# KiCad board jetson-nano-baseboard.kicad_pcb (continued)
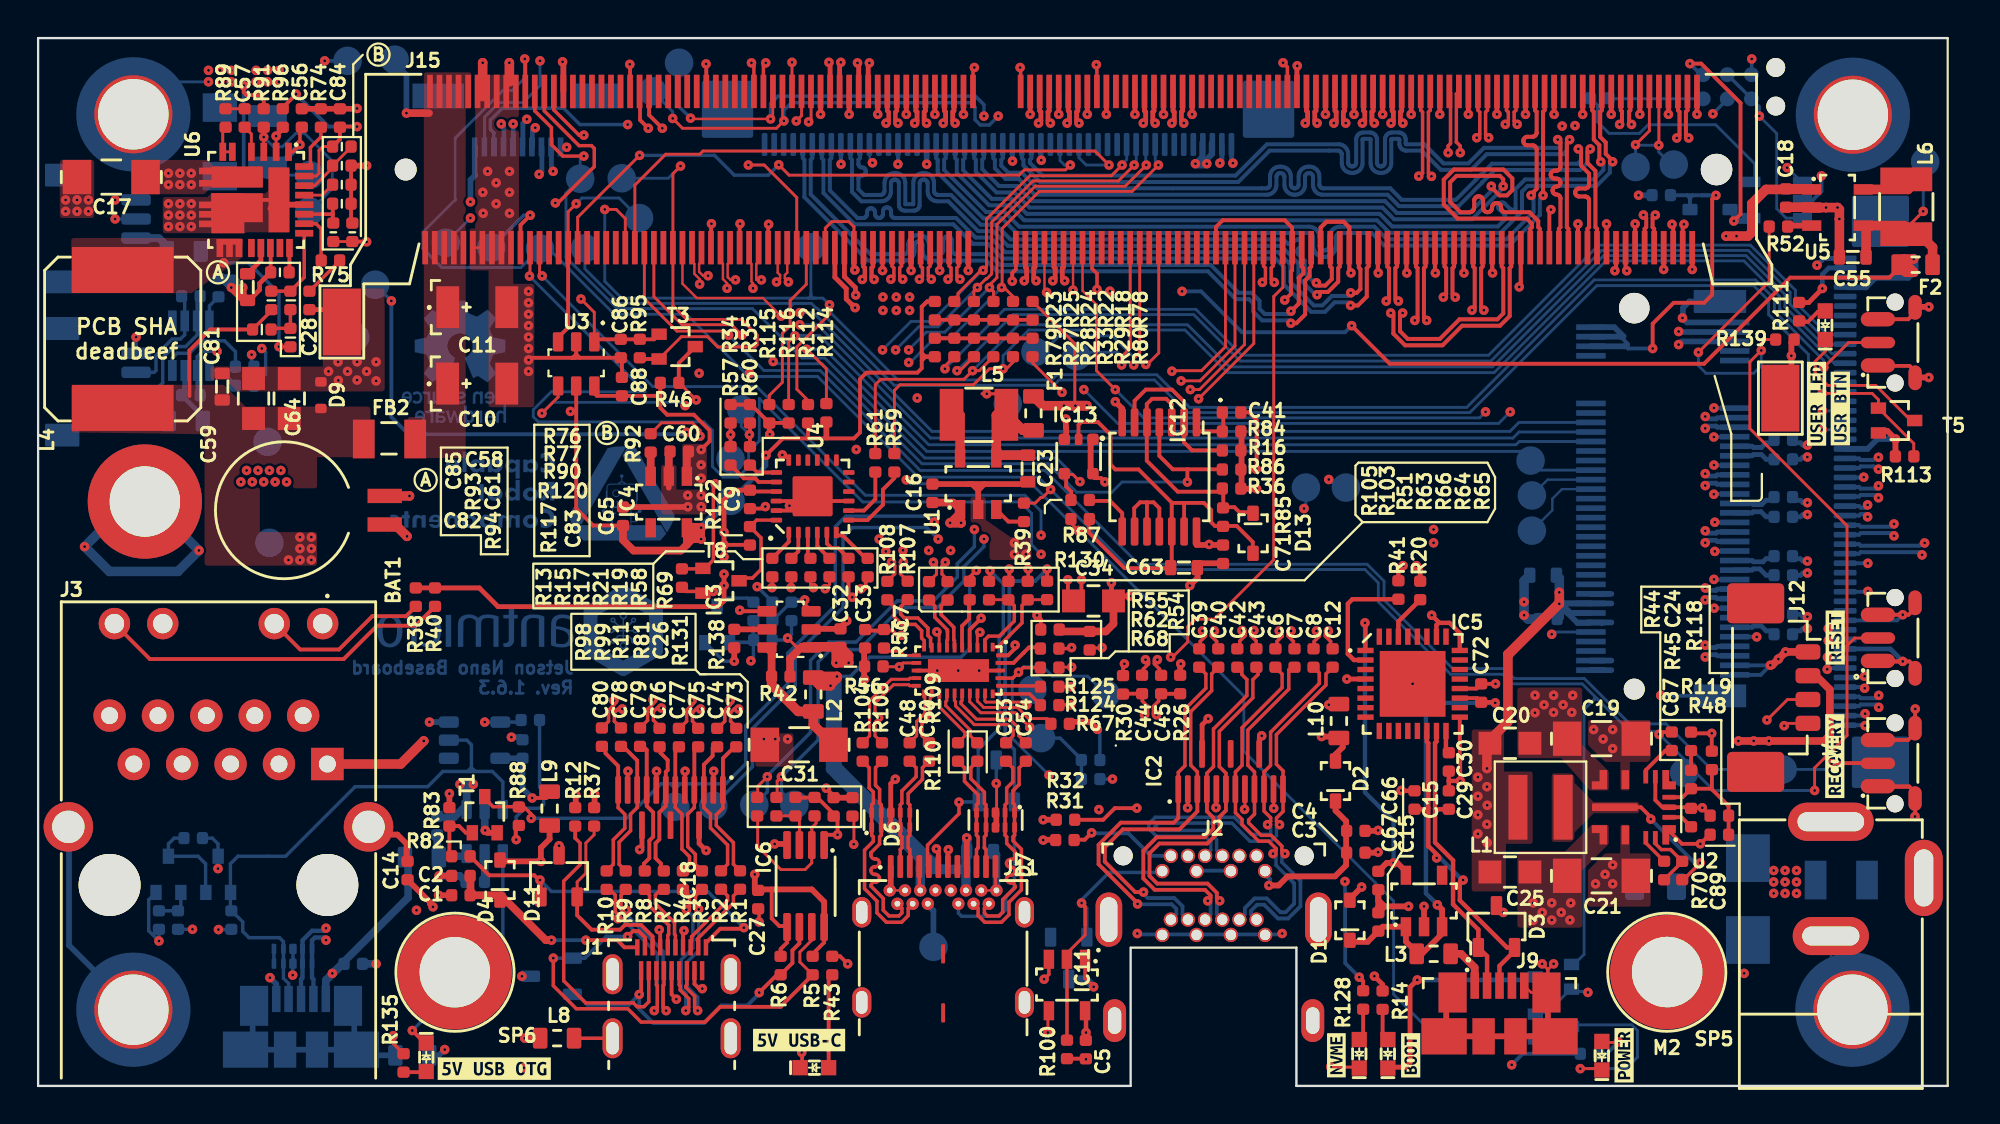
[diagram p0: board, top side]
## Routing (per net, layer and track width the routed paths; a pad name or vN(x,y) marks a point on that pad's centre or on a via; arc(x,y) is an arc through that point) (continued)
/USB/C_USBSS_RX1_N: length 11.4
  Top w0.182: J11.B10 45.67,9.33 45.67,8.94 45.32,8.59 44.52,8.59 44.03,9.09 44.03,9.7 43.38,10.35 43.38,12.37 43.84,12.83 43.84,13.07 43.75,13.16 43.75,14.75 43.84,14.84 43.84,15.43 43.62,15.64 43.62,16.7 R104.2
/USB/C_USBSS_RX1_P: length 11.4
  Top w0.182: 45.1,9.56 45.34,9.33 45.34,9.08 45.18,8.92 44.66,8.92 44.36,9.23 44.36,9.84 43.71,10.49 arc(43.77,10.63) 43.91,10.69 43.95,10.69 arc(44.1,10.75) 44.16,10.9 arc(44.1,11.04) 43.95,11.1 43.91,11.1 arc(43.77,11.16) 43.71,11.3 arc(43.77,11.45) 43.91,11.51 43.95,11.51 arc(44.1,11.57) 44.16,11.71 arc(44.1,11.85) 43.95,11.91 43.91,11.91 arc(43.77,11.97) 43.71,12.12 43.71,12.24 44.17,12.7 44.17,13.07 44.25,13.16 44.25,14.75 44.17,14.84 44.17,15.56 43.95,15.78 43.95,16.7 R106.2
/USB/C_USBSS_RX2_N: length 6.1
  Top w0.182: R109.2 48.62,16.7 48.62,15.99 49.34,15.28 49.34,14.84 49.25,14.75 49.25,13.16 49.34,13.07 49.34,12.5 49.25,12.41 49.25,11.51
/USB/C_USBSS_RX2_P: length 6.1
  Top w0.182: R110.2 48.95,16.7 48.95,16.13 49.67,15.41 49.67,14.84 49.75,14.75 49.75,13.16 49.67,13.07 49.67,12.5 49.75,12.41 49.75,11.51
/USB/C_USBSS_RX6_N: length 3.7
  Top w0.182: R108.2 44.94,25.15 44.94,24.62 45.34,24.23 46.04,24.23 46.37,23.89 46.37,23.5 46.51,23.36 46.51,23.05 46.49,23.03
/USB/C_USBSS_RX6_P: length 3.8
  Top w0.182: R107.2 45.27,25.15 45.27,24.76 45.47,24.56 46.17,24.56 46.7,24.03 46.7,23.64 46.84,23.5 46.84,23.05 46.89,23
/USB/C_USBSS_TX1_N: length 6.1
  Top w0.182: 46.76,17.04 46.42,16.7 46.42,16.1 45.67,15.35 45.67,14.84 45.75,14.75 45.75,13.16 45.67,13.07 45.67,12.5 45.75,12.41 45.75,11.51
/USB/C_USBSS_TX1_P: length 6.1
  Top w0.182: 45.74,17.04 46.08,16.7 46.08,16.23 45.34,15.48 45.34,14.84 45.25,14.75 45.25,13.16 45.34,13.07 45.34,12.5 45.25,12.41 45.25,11.51
/USB/C_USBSS_TX2_N: length 11.5
  Top w0.182: 49.1,9.56 49.34,9.33 49.34,8.94 49.69,8.59 50.56,8.59 50.96,8.99 50.96,9.64 51.61,10.29 51.61,12.42 51.17,12.86 51.17,13.07 51.25,13.16 51.25,14.75 51.17,14.84 51.17,15.5 51.49,15.82 51.49,16.69 51.84,17.04
/USB/C_USBSS_TX2_P: length 11.5
  Top w0.182: 49.9,9.56 49.67,9.33 49.67,9.08 49.82,8.92 50.42,8.92 50.63,9.12 50.63,9.78 51.28,10.43 51.28,10.46 arc(51.22,10.61) 51.07,10.67 51.03,10.67 arc(50.89,10.73) 50.83,10.87 arc(50.89,11.01) 51.03,11.07 51.07,11.07 arc(51.22,11.13) 51.28,11.28 arc(51.22,11.42) 51.07,11.48 51.03,11.48 arc(50.89,11.54) 50.83,11.68 arc(50.89,11.83) 51.03,11.89 51.07,11.89 arc(51.22,11.95) 51.28,12.09 51.28,12.29 50.84,12.73 50.84,13.07 50.75,13.16 50.75,14.75 50.84,14.84 50.84,15.63 51.16,15.96 51.16,16.69 50.81,17.04
/USB/C_USBSS_TX6_N: length 2.9
  Top w0.182: R105.2 47.06,25.2 47.06,24.6 47.73,23.94 47.73,23.85 47.73,23.84 47.73,23.41 47.69,23.38 47.69,23
/USB/C_USBSS_TX6_P: length 2.9
  Top w0.182: 48.09,23 48.09,23.38 48.06,23.41 48.06,24.07 47.39,24.74 47.39,25.2 47.71,25.51
/USB/CC1: length 5.1
  Top w0.15: 49.69,23 49.69,23.43 ; 49.91,25.52 50.92,25.52
  Top w0.18: R66.1 51.24,25.2 51.24,24.4 50.44,23.61 49.88,23.61 49.69,23.42 49.69,23
/USB/CC2: length 4.4
  Top w0.15: 52.96,25.53 52.95,25.52 51.94,25.52
  Top w0.18: 50.09,23.03 50.37,23.03 51.64,24.31 51.64,25.22 R64.1
/USB/DBG_USB_D_N: length 15.3
  Top w0.23: 73.32,14.53 73.32,12.78 74.26,11.83 74.26,9.53 75.59,8.21 D3.1 76.05,6.81 J9.2 ; 73.32,14.53 73.32,18 73.39,18.07 73.39,18.63 ; 73.32,14.53 73.33,14.52 C29.1
/USB/DBG_USB_D_P: length 16.8
  Top w0.23: 72.96,14.58 72.96,18 72.89,18.07 72.89,18.63 ; 72.96,14.58 72.9,14.52 C15.1 ; 72.96,14.58 72.96,12.58 72.98,12.58 73.4,12.16 v1(73.4,11.97) ; 74.74,10.81 74.62,10.68 74.62,9.74 77.09,7.27 D3.2 77.49,7.09 76.7,6.3 76.7,5.26
  Bottom w0.23: 74.74,10.81 73.58,11.97 v1(73.4,11.97)
  vias: v1(74.79,10.81)
/USB/EN_MUX: length 12
  Top w0.15: 54.19,22 54.17,21.98 53.57,21.98 ; 46.09,22.2 45.4,22.2 v1(45.2,22) 44.47,22
  In2_SINGAL.Cu w0.15: v1(54.25,21.98) 53.82,22.41 50.64,22.41 50.34,22.71 45.91,22.71 v1(45.2,22)
/USB/OTG_USB_ID: length 30.3
  Bottom w0.18: 22.74,16.71 22.74,17.91 22.5,18.15 U8.2 ; 22.74,16.71 22.94,16.51 ; 22.74,16.71 22.54,16.51 ; 22.74,16.71 22.74,16.51 ; 22.94,16.51 23.84,16.51 24.39,15.96 24.39,14.76 ; 22.94,16.51 22.74,16.51 ; 22.54,16.51 21.24,16.51 20.44,15.71 16.64,15.71 12.99,12.06 10.49,12.06 10.09,11.66 10.09,9.24 R134.2 ; 22.54,16.51 22.74,16.51 ; R134.2 10.16,9.19 10.74,8.61 10.74,8.11 11.07,7.78 12.67,7.78 12.88,7.57 12.88,5.65 13.15,5.37 13.15,4.56 ; R134.2 10.13,9.19
/USB/OTG_USB_VBUS: length 27.6
  In5_3V3_SYS_SIGNAL.Cu w0.18: v1(8.1,8.22) 8.73,8.22 11.84,5.11 14.64,5.11 v1(15.44,5.91)
  Bottom w0.18: v1(8.1,8.22) R72.2
  Bottom w0.3: 19.42,9.88 v1(15.44,5.91) 15.56,5.91 C62.1 15.1,5.45 15.1,4.56
  Bottom w0.4: 15.1,4.56 15.1,5.56 19.42,9.88 19.42,12.01
/USB/USB_DBG_VBUS: length 2.5
  Top w0.4: J9.1 75.4,6.22 74.68,6.93 L3.2
/USB/USBC_ADDR: length 8.6
  Top w0.15: v1(52.04,18.83) 51.29,19.59 49.48,19.59 48.89,20.17 48.89,20.6
  Bottom w0.18: TP21.1 53.64,18.26 54.76,17.14 54.76,16.11
  Bottom w0.2: v1(52.04,18.83) 52.07,18.83 TP21.1
/USB/USBC_FAULT: length 3.6
  Top w0.15: v1(51.89,20.01) 51.76,20.15 49.75,20.15 49.69,20.2 49.69,20.6
  Bottom w0.18: v1(51.89,20.01) 51.89,20.41 52.19,20.71 TP32.1
/USB/USBC_ID: length 44
  Top w0.18: 52.61,21.96 51.7,21.96 v1(51.46,21.71) 51.14,21.4 50.49,21.4
  In5_3V3_SYS_SIGNAL.Cu w0.18: v1(53.06,16.32) 52.75,16.62 48.64,16.62 43.91,11.9 40.97,11.9 39.9,12.96 39.9,19.82 v1(37.41,22.31)
  Bottom w0.15: TP18.1 55.09,21.51 53.24,21.51 52.74,22.01 51.75,22.01 v1(51.46,21.71) 51.13,21.38 51.13,18.25 v1(53.06,16.32)
  Bottom w0.18: R49.1 37.54,23.91 ; 37.54,23.91 37.54,23.49 ; 37.54,23.91 37.54,22.44 v1(37.41,22.31)
  Bottom w0.2: 37.54,23.49 37.34,23.29 36.29,23.29
/USB/USBC_INTN: length 4.7
  Top w0.15: 53.16,19.08 52.96,19.28 51.98,19.28 51.4,19.87 49.63,19.87 49.29,20.2 49.29,20.6
/USB/USBC_SCL: length 2.1
  Top w0.18: 50.49,21 52.56,21 52.61,20.96
/USB/USBC_SDA: length 2.7
  Top w0.18: 50.09,20.58 52.04,20.58 52.61,20.01
/USB/USBC_VBUS: length 60.2
  Top w0.15: 42.82,14.16 42.82,12.7 v1(42.81,12.68)
  Top w0.18: 46.25,11.51 46.25,10.31 46.3,10.26 ; v1(49.24,27.06) 48.89,26.71 R51.2
  Top w0.3: 48.87,26.51 48.89,26.48 ; 48.75,11.51 48.74,11.52 v1(48.74,13.02)
  Top w0.5: 40.69,21.36 40.74,21.41 41.76,21.41 41.83,21.34 ; 40.69,21.36 40.82,21.49 v1(41.93,21.49) 41.93,21.4 41.57,21.04 ; 40.69,21.36 41.05,21.01 v1(41.59,21.01)
  In3_SIGNAL.Cu w0.15: v1(42.81,12.68) 42.81,11.64 43.44,11.01 45.96,11.01 46.3,10.67 46.3,10.26
  Bottom w0.18: v1(49.24,27.06) 48.89,26.71 48.89,22.96 48.44,22.51 43.64,22.51 42.63,21.49 v1(41.93,21.49)
  Bottom w0.5: 48.7,10.26 48.7,11.37 ; 48.7,11.37 48.7,12.26 C35.1 48.74,13.01 v1(48.74,13.02) ; 48.7,11.37 47.65,11.37 ; 46.3,10.26 46.3,11.37 ; 46.3,11.37 46.3,11.47 ; 46.3,11.37 47.65,11.37 ; 46.3,11.47 46.95,11.47 ; 46.3,11.47 46.3,11.91 ; 41.59,17.11 41.59,16.62 42.05,16.16 ; 41.59,17.11 41.59,21.1 41.91,21.41 ; 41.59,17.11 47.09,11.61 ; 47.09,11.61 46.95,11.47 ; 47.09,11.61 47.33,11.37 47.65,11.37 ; 46.95,11.47 46.75,11.47 46.3,11.91 ; v1(41.93,21.49) 41.93,16.29 42.05,16.16 ; 46.3,11.91 42.05,16.16
/USB/USBSS_RX1_N: length 5.3
  Top w0.16: R104.1 43.64,18.37 43.64,20.21 44.78,21.34 45.7,21.34 45.76,21.4 46.09,21.4
/USB/USBSS_RX1_P: length 5.3
  Top w0.16: R106.1 43.93,18.37 43.93,19.04 arc(43.97,19.14) 44.07,19.18 44.14,19.18 arc(44.24,19.23) 44.29,19.33 arc(44.24,19.43) 44.14,19.47 44.07,19.47 arc(43.97,19.51) 43.93,19.61 43.93,20.09 44.89,21.06 45.7,21.06 45.76,21 46.09,21
/USB/USBSS_RX2_N: length 3.3
  Top w0.16: 47.29,20.6 47.29,20.23 47.35,20.17 47.35,19.85 48.64,18.55 48.64,18.37 R109.1
/USB/USBSS_RX2_P: length 3.3
  Top w0.16: 47.69,20.6 47.69,20.23 47.64,20.17 47.64,19.96 48.93,18.67 48.93,18.37 R110.1
/USB/USBSS_TX1_N: length 2.9
  Top w0.16: 46.49,20.58 46.54,20.53 46.54,19.55 46.11,19.12 46.11,18.37 C48.1
/USB/USBSS_TX1_P: length 2.9
  Top w0.16: C50.1 46.39,18.37 46.39,19.01 46.82,19.44 46.82,20.53 46.89,20.6
/USB/USBSS_TX2_N: length 5
  Top w0.16: C53.1 51.18,18.39 51.18,18.66 50.88,18.96 49.13,18.96 48.15,19.95 48.15,20.17 48.09,20.23 48.09,20.6
/USB/USBSS_TX2_P: length 5
  Top w0.16: 48.49,20.6 48.49,20.23 48.44,20.17 48.44,20.06 49.25,19.25 51,19.25 51.47,18.78 51.47,18.39 C54.1
/USB/~{OTG_USB_FAULT}: length 14
  Top w0.2: LED2.2 20.29,2.26 v1(19.64,2.91)
  Bottom w0.18: v1(19.64,2.91) 20.19,3.46 23.39,3.46 24.39,4.46 24.39,12.06
\PEWAKE_3V3: length 56.2
  Top w0.15: J15.179 40.57,50.73 v1(40.44,50.61)
  In2_SINGAL.Cu w0.15: v1(39.98,40.59) 39.98,40.97 40.14,41.13 40.14,50.31 v1(40.44,50.61)
  Bottom w0.15: v1(39.98,40.59) 40.68,40.59 46.92,34.36 77.25,34.36 77.72,34.82 81.5,34.82
CAN_RXD: length 54.7
  Top w0.18: v1(51.54,53.46) 51.57,53.43 J15.143
  In2_SINGAL.Cu w0.15: v1(11.21,38.38) 11.29,38.47 11.29,39.86 15.14,43.71 15.14,51.71 16.54,53.11 48.04,53.11 48.94,54.01 51.34,54.01 51.54,53.81 v1(51.54,53.46)
  Bottom w0.18: R101.1 11.21,37.88 v1(11.21,38.38)
CAN_TXD: length 52.4
  Top w0.18: v1(49.14,53.46) 49.07,53.38 49.07,52.2
  In2_SINGAL.Cu w0.15: v1(11.74,38.71) 11.64,38.81 11.64,39.61 15.54,43.51 15.54,51.51 16.84,52.81 48.24,52.81 48.89,53.46 v1(49.14,53.46)
  Bottom w0.18: v1(11.74,38.71) 11.94,38.51 11.94,37.37 R71.1
DP_PWR: length 17.4
  Top w0.3: v1(67.36,18.34) 67.36,18.34 68.48,18.34 68.48,17.78 68.09,17.4 68.09,17.06 ; v1(59.97,22.16) 59.94,22.13 R26.2
  In2_SINGAL.Cu w0.3: v1(67.36,18.34) 69.42,20.4 69.42,21.86 68.81,22.46 60.28,22.46 v1(59.97,22.16)
EGND: length 13.7
  Top w0.3: C14.1 19.34,11.84 19.34,12.71 18.86,13.19 17.38,13.19
  Bottom w0.3: SP4.1 1.62,7.38 1.62,13.19
ENET_LED0: length 51.5
  Top w0.2: J15.194 36.82,45.23 v1(36.84,45.26)
  In5_3V3_SYS_SIGNAL.Cu w0.2: 6.55,24.27 8.19,25.91 15.44,25.91 16.59,24.76 23.04,24.76 24.69,26.41 24.69,43.26 25.54,44.11 36.49,44.11 36.82,44.43 36.82,45.23 v1(36.84,45.26)
ENET_LED1: length 43.2
  Top w0.2: v1(38.34,45.23) 38.32,45.2 38.32,44
  In5_3V3_SYS_SIGNAL.Cu w0.2: v1(38.34,45.23) 36.77,43.66 25.79,43.66 25.14,43.01 25.14,26.21 23.2,24.27 J3.11
ENET_TRD0_N: length 53.4
  Top w0.125: 39.32,44 39.32,42.69 39.19,42.56 39.19,42.39 v1(39.38,42.2)
  In5_3V3_SYS_SIGNAL.Cu w0.125: v1(39.38,42.2) 39.14,41.96 39.14,41.45 37.87,40.18 31.49,40.18 31.07,39.75 31.07,33.18 31.07,33.14 31.08,33.11 31.1,33.07 31.13,33.04 31.17,33.02 31.2,33.01 31.24,33.01 31.4,33.01 31.49,33 31.57,32.97 31.65,32.92 31.71,32.86 31.76,32.78 31.79,32.69 31.8,32.61 31.8,32.56 31.79,32.47 31.76,32.38 31.71,32.31 31.65,32.24 31.57,32.2 31.49,32.17 31.4,32.16 30.51,32.16 30.47,32.15 30.44,32.14 30.4,32.12 30.37,32.09 30.35,32.06 30.34,32.02 30.34,31.98 30.34,31.94 30.35,31.91 30.37,31.87 30.4,31.84 30.44,31.82 30.47,31.81 30.51,31.81 31.4,31.81 31.49,31.8 31.57,31.77 31.65,31.72 31.71,31.66 31.76,31.58 31.79,31.49 31.8,31.41 31.8,31.36 31.79,31.27 31.76,31.18 31.71,31.11 31.65,31.04 31.57,31 31.49,30.97 31.4,30.96 30.51,30.96 30.47,30.95 30.44,30.94 30.4,30.92 30.37,30.89 30.35,30.86 30.34,30.82 30.34,30.78 30.34,30.74 30.35,30.71 30.37,30.67 30.4,30.64 30.44,30.62 30.47,30.61 30.51,30.61 31.4,30.61 31.49,30.6 31.57,30.57 31.65,30.52 31.71,30.46 31.76,30.38 31.79,30.29 31.8,30.21 31.8,30.16 31.79,30.07 31.76,29.98 31.71,29.91 31.65,29.84 31.57,29.8 31.49,29.77 31.4,29.76 31.24,29.76 31.2,29.75 31.17,29.74 31.13,29.72 31.1,29.69 31.08,29.66 31.07,29.62 31.07,29.58 31.07,25.85 30.57,25.35 25.32,20.11 16.14,20.11 12.93,16.9 J3.3
ENET_TRD0_P: length 53.4
  Top w0.125: J15.186 38.82,42.69 38.94,42.56 38.94,42.39 v1(38.76,42.2)
  In5_3V3_SYS_SIGNAL.Cu w0.125: v1(38.76,42.2) 38.89,42.06 38.89,41.56 37.77,40.43 31.39,40.43 30.82,39.86 30.82,33.16 30.83,33.07 30.86,32.98 30.9,32.91 30.97,32.84 31.04,32.8 31.13,32.77 31.22,32.76 31.37,32.76 31.41,32.75 31.45,32.74 31.48,32.72 31.51,32.69 31.53,32.66 31.54,32.62 31.55,32.58 31.54,32.54 31.53,32.51 31.51,32.47 31.48,32.44 31.45,32.42 31.41,32.41 31.37,32.41 30.49,32.41 30.4,32.4 30.31,32.37 30.24,32.32 30.17,32.26 30.13,32.18 30.1,32.09 30.09,32.01 30.09,31.96 30.1,31.87 30.13,31.78 30.17,31.71 30.24,31.64 30.31,31.6 30.4,31.57 30.49,31.56 31.37,31.56 31.41,31.55 31.45,31.54 31.48,31.52 31.51,31.49 31.53,31.46 31.54,31.42 31.55,31.38 31.54,31.34 31.53,31.31 31.51,31.27 31.48,31.24 31.45,31.22 31.41,31.21 31.37,31.21 30.49,31.21 30.4,31.2 30.31,31.17 30.24,31.12 30.17,31.06 30.13,30.98 30.1,30.89 30.09,30.81 30.09,30.76 30.1,30.67 30.13,30.58 30.17,30.51 30.24,30.44 30.31,30.4 30.4,30.37 30.49,30.36 31.37,30.36 31.41,30.35 31.45,30.34 31.48,30.32 31.51,30.29 31.53,30.26 31.54,30.22 31.55,30.18 31.54,30.14 31.53,30.11 31.51,30.07 31.48,30.04 31.45,30.02 31.41,30.01 31.37,30.01 31.22,30.01 31.13,30 31.04,29.97 30.97,29.92 30.9,29.86 30.86,29.78 30.83,29.69 30.82,29.61 30.82,25.96 30.32,25.46 26.71,21.86 26.69,21.84 26.67,21.83 26.64,21.82 26.61,21.82 26.58,21.83 26.56,21.84 26.54,21.86 26.32,22.07 26.3,22.09 26.27,22.1 26.25,22.11 26.22,22.11 26.19,22.1 26.17,22.09 26.15,22.07 26.13,22.05 26.12,22.02 26.11,22 26.11,21.97 26.12,21.94 26.13,21.92 26.15,21.89 26.36,21.68 26.38,21.66 26.39,21.63 26.4,21.6 26.4,21.58 26.39,21.55 26.38,21.52 26.36,21.5 26.34,21.48 26.31,21.47 26.29,21.47 26.26,21.47 26.23,21.47 26.21,21.48 26.18,21.5 25.97,21.72 25.95,21.73 25.92,21.75 25.89,21.75 25.87,21.75 25.84,21.75 25.81,21.73 25.79,21.72 25.77,21.69 25.76,21.67 25.76,21.64 25.76,21.61 25.76,21.59 25.77,21.56 25.79,21.54 26.01,21.32 26.02,21.3 26.04,21.28 26.04,21.25 26.04,21.22 26.04,21.2 26.02,21.17 26.01,21.15 25.98,21.13 25.96,21.12 25.93,21.11 25.9,21.11 25.88,21.12 25.85,21.13 25.83,21.15 25.61,21.36 25.59,21.38 25.57,21.39 25.54,21.4 25.51,21.4 25.49,21.39 25.46,21.38 25.44,21.36 25.42,21.34 25.41,21.32 25.4,21.29 25.4,21.26 25.41,21.23 25.42,21.21 25.44,21.19 25.65,20.97 25.67,20.95 25.68,20.92 25.69,20.9 25.69,20.87 25.68,20.84 25.67,20.82 25.65,20.79 25.21,20.36 14.83,20.36 J3.2
ENET_TRD1_N: length 53.4
  Top w0.125: 37.7,42.31 v1(37.96,42.31) ; 37.69,42.31 37.69,43.15 37.82,43.28 J15.190
  In5_3V3_SYS_SIGNAL.Cu w0.125: v1(37.96,42.31) 37.61,42.31 37.6,42.3 37.31,42.3 37.08,42.08 37.08,41.78 36.38,41.08 30.22,41.08 29.47,40.33 29.47,36.71 29.48,36.63 29.5,36.56 29.54,36.49 29.6,36.44 29.66,36.4 29.74,36.37 29.81,36.36 29.96,36.36 29.98,36.36 30.01,36.35 30.03,36.34 30.05,36.32 30.06,36.3 30.07,36.27 30.07,36.25 30.07,36.23 30.07,36.21 30.06,36.18 30.05,36.16 30.03,36.14 30.01,36.13 29.98,36.12 29.96,36.11 29.81,36.11 29.74,36.11 29.66,36.08 29.6,36.04 29.54,35.98 29.5,35.92 29.48,35.85 29.47,35.77 29.47,35.71 29.48,35.63 29.5,35.56 29.54,35.49 29.6,35.44 29.66,35.4 29.74,35.37 29.81,35.36 29.96,35.36 29.98,35.36 30.01,35.35 30.03,35.34 30.05,35.32 30.06,35.3 30.07,35.27 30.07,35.25 30.07,35.23 30.07,35.21 30.06,35.18 30.05,35.16 30.03,35.14 30.01,35.13 29.98,35.12 29.96,35.11 29.81,35.11 29.74,35.11 29.66,35.08 29.6,35.04 29.54,34.98 29.5,34.92 29.48,34.85 29.47,34.77 29.47,34.71 29.48,34.63 29.5,34.56 29.54,34.49 29.6,34.44 29.66,34.4 29.74,34.37 29.81,34.36 29.96,34.36 29.98,34.36 30.01,34.35 30.03,34.34 30.05,34.32 30.06,34.3 30.07,34.27 30.07,34.25 30.07,34.23 30.07,34.21 30.06,34.18 30.05,34.16 30.03,34.14 30.01,34.13 29.98,34.12 29.96,34.11 29.81,34.11 29.74,34.11 29.66,34.08 29.6,34.04 29.54,33.98 29.5,33.92 29.48,33.85 29.47,33.77 29.47,26.41 24.19,21.13 10.46,21.13 10.1,20.77 J3.5
ENET_TRD1_P: length 53.4
  Top w0.125: 37.32,44 37.32,43.28 37.44,43.15 37.44,42.21 37.52,42.13 v1(37.52,41.87)
  In5_3V3_SYS_SIGNAL.Cu w0.125: v1(37.52,41.87) 36.48,40.83 30.37,40.83 29.72,40.18 29.72,36.73 29.72,36.71 29.73,36.68 29.74,36.66 29.76,36.64 29.78,36.63 29.81,36.62 29.83,36.61 29.98,36.61 30.06,36.61 30.13,36.58 30.19,36.54 30.25,36.48 30.29,36.42 30.32,36.35 30.32,36.27 30.32,36.21 30.32,36.13 30.29,36.06 30.25,35.99 30.19,35.94 30.13,35.9 30.06,35.87 29.98,35.86 29.83,35.86 29.81,35.86 29.78,35.85 29.76,35.84 29.74,35.82 29.73,35.8 29.72,35.77 29.72,35.75 29.72,35.73 29.72,35.71 29.73,35.68 29.74,35.66 29.76,35.64 29.78,35.63 29.81,35.62 29.83,35.61 29.98,35.61 30.06,35.61 30.13,35.58 30.19,35.54 30.25,35.48 30.29,35.42 30.32,35.35 30.32,35.27 30.32,35.21 30.32,35.13 30.29,35.06 30.25,34.99 30.19,34.94 30.13,34.9 30.06,34.87 29.98,34.86 29.83,34.86 29.81,34.86 29.78,34.85 29.76,34.84 29.74,34.82 29.73,34.8 29.72,34.77 29.72,34.75 29.72,34.73 29.72,34.71 29.73,34.68 29.74,34.66 29.76,34.64 29.78,34.63 29.81,34.62 29.83,34.61 29.98,34.61 30.06,34.61 30.13,34.58 30.19,34.54 30.25,34.48 30.29,34.42 30.32,34.35 30.32,34.27 30.32,34.21 30.32,34.13 30.29,34.06 30.25,33.99 30.19,33.94 30.13,33.9 30.06,33.87 29.98,33.86 29.83,33.86 29.81,33.86 29.78,33.85 29.76,33.84 29.74,33.82 29.73,33.8 29.72,33.77 29.72,33.75 29.72,26.3 27.87,24.46 27.85,24.43 27.84,24.41 27.83,24.38 27.83,24.35 27.84,24.33 27.85,24.3 27.89,24.26 27.9,24.23 27.91,24.21 27.91,24.18 27.9,24.15 27.89,24.13 27.87,24.1 27.85,24.09 27.82,24.07 27.79,24.07 27.77,24.07 27.74,24.07 27.71,24.09 27.67,24.12 27.65,24.13 27.62,24.14 27.59,24.14 27.56,24.13 27.54,24.12 27.52,24.1 27.5,24.08 27.49,24.06 27.48,24.03 27.48,24 27.49,23.97 27.5,23.95 27.53,23.9 27.55,23.88 27.55,23.85 27.55,23.82 27.55,23.8 27.53,23.77 27.52,23.75 27.49,23.73 27.47,23.72 27.44,23.71 27.41,23.71 27.39,23.72 27.36,23.73 27.32,23.77 27.29,23.78 27.26,23.79 27.24,23.79 27.21,23.78 27.18,23.77 27.16,23.75 27.14,23.73 27.13,23.7 27.13,23.68 27.13,23.65 27.13,23.62 27.14,23.59 27.18,23.55 27.19,23.53 27.2,23.5 27.2,23.47 27.19,23.44 27.18,23.42 27.16,23.4 27.14,23.38 27.11,23.37 27.09,23.36 27.06,23.36 27.03,23.37 27.01,23.38 26.96,23.41 26.94,23.43 26.91,23.43 26.88,23.43 26.86,23.43 26.83,23.41 26.81,23.4 26.79,23.37 26.78,23.35 26.77,23.32 26.77,23.29 26.78,23.27 26.79,23.24 26.83,23.2 26.84,23.17 26.84,23.15 26.84,23.12 26.84,23.09 26.83,23.06 26.81,23.04 26.79,23.03 26.76,23.01 26.73,23.01 26.71,23.01 26.68,23.01 26.65,23.03 26.61,23.06 26.58,23.07 26.56,23.08 26.53,23.08 26.5,23.07 26.48,23.06 26.45,23.04 24.29,20.88 13.14,20.88 13.11,20.88 13.09,20.87 13.06,20.85 13.04,20.83 13.03,20.81 13.02,20.78 13.02,20.76 13.02,20.58 13.01,20.55 13,20.53 12.99,20.5 12.97,20.48 12.95,20.47 12.92,20.46 12.89,20.45 12.86,20.46 12.84,20.47 12.81,20.48 12.79,20.5 12.78,20.53 12.77,20.55 12.77,20.58 12.77,20.76 12.76,20.78 12.75,20.81 12.74,20.83 12.72,20.85 12.7,20.87 12.67,20.88 12.64,20.88 12.61,20.88 12.59,20.87 12.56,20.85 12.54,20.83 12.53,20.81 12.52,20.78 12.52,20.76 12.52,20.58 12.51,20.55 12.5,20.53 12.49,20.5 12.47,20.48 12.45,20.47 12.42,20.46 12.39,20.45 12.36,20.46 12.34,20.47 12.31,20.48 12.29,20.5 12.28,20.53 12.27,20.55 12.27,20.58 12.27,20.76 12.26,20.78 12.25,20.81 12.24,20.83 12.22,20.85 12.2,20.87 12.17,20.88 12.14,20.88 12.11,20.88 12.09,20.87 12.06,20.85 12.04,20.83 12.03,20.81 12.02,20.78 12.02,20.76 12.02,20.58 12.01,20.55 12,20.53 11.99,20.5 11.97,20.48 11.95,20.47 11.92,20.46 11.89,20.45 11.86,20.46 11.84,20.47 11.81,20.48 11.79,20.5 11.78,20.53 11.77,20.55 11.77,20.58 11.77,20.76 11.76,20.78 11.75,20.81 11.74,20.83 11.72,20.85 11.7,20.87 11.67,20.88 11.64,20.88 10.57,20.88 10.35,20.66 10.35,20.46 J3.4
ENET_TRD2_N: length 53.4
  Top w0.125: J15.196 36.32,43.28 36.19,43.15 36.19,42.45 36.34,42.31 v1(36.6,42.31)
  In5_3V3_SYS_SIGNAL.Cu w0.125: 6.29,19.44 8.69,21.83 23.19,21.83 24.35,22.99 24.37,23.02 24.38,23.04 24.39,23.07 24.39,23.1 24.38,23.12 24.37,23.15 24.35,23.17 24.27,23.25 24.26,23.27 24.24,23.3 24.24,23.33 24.24,23.35 24.24,23.38 24.26,23.41 24.27,23.43 24.29,23.45 24.32,23.46 24.35,23.46 24.38,23.46 24.4,23.46 24.43,23.45 24.45,23.43 24.53,23.35 24.55,23.33 24.58,23.32 24.6,23.31 24.63,23.31 24.66,23.32 24.68,23.33 24.71,23.35 24.72,23.37 24.74,23.4 24.74,23.42 24.74,23.45 24.74,23.48 24.72,23.5 24.71,23.52 24.63,23.61 24.61,23.63 24.6,23.65 24.59,23.68 24.59,23.71 24.6,23.73 24.61,23.76 24.63,23.78 24.65,23.8 24.67,23.81 24.7,23.82 24.73,23.82 24.76,23.81 24.78,23.8 24.8,23.78 24.88,23.7 24.91,23.68 24.93,23.67 24.96,23.67 24.99,23.67 25.01,23.67 25.04,23.68 25.06,23.7 25.08,23.72 25.09,23.75 25.1,23.78 25.1,23.8 25.09,23.83 25.08,23.86 25.06,23.88 24.98,23.96 24.96,23.98 24.95,24.01 24.94,24.03 24.94,24.06 24.95,24.09 24.96,24.11 24.98,24.14 25,24.15 25.03,24.17 25.05,24.17 25.08,24.17 25.11,24.17 25.13,24.15 25.16,24.14 25.24,24.06 25.26,24.04 25.28,24.03 25.31,24.02 25.34,24.02 25.37,24.03 25.39,24.04 25.41,24.06 28.62,27.26 28.62,30.43 28.61,30.47 28.6,30.51 28.58,30.54 28.55,30.57 28.52,30.59 28.48,30.6 28.44,30.61 28.27,30.61 28.18,30.62 28.09,30.65 28.02,30.69 27.95,30.76 27.91,30.83 27.88,30.92 27.87,31.01 27.87,31.06 27.88,31.14 27.91,31.23 27.95,31.31 28.02,31.37 28.09,31.42 28.18,31.45 28.27,31.46 28.44,31.46 28.48,31.46 28.52,31.47 28.55,31.49 28.58,31.52 28.6,31.56 28.61,31.59 28.62,31.63 28.61,31.67 28.6,31.71 28.58,31.74 28.55,31.77 28.52,31.79 28.48,31.8 28.44,31.81 28.27,31.81 28.18,31.82 28.09,31.85 28.02,31.89 27.95,31.96 27.91,32.03 27.88,32.12 27.87,32.21 27.87,32.26 27.88,32.34 27.91,32.43 27.95,32.51 28.02,32.57 28.09,32.62 28.18,32.65 28.27,32.66 28.44,32.66 28.48,32.66 28.52,32.67 28.55,32.69 28.58,32.72 28.6,32.76 28.61,32.79 28.62,32.83 28.62,40.63 29.61,41.63 35.57,41.63 35.72,41.78 35.72,42.08 35.95,42.3 36.24,42.3 36.25,42.31 v1(36.6,42.31)
ENET_TRD2_P: length 53.4
  Top w0.125: v1(36.16,41.87) 36.16,42.13 35.94,42.35 35.94,43.15 35.82,43.28 J15.198
  In5_3V3_SYS_SIGNAL.Cu w0.125: J3.7 7.56,20.35 8.79,21.58 8.92,21.58 8.94,21.58 8.97,21.57 8.99,21.55 9.01,21.53 9.03,21.51 9.04,21.48 9.04,21.46 9.04,21.44 9.04,21.41 9.05,21.39 9.07,21.36 9.09,21.34 9.11,21.33 9.14,21.32 9.17,21.31 9.19,21.32 9.22,21.33 9.24,21.34 9.26,21.36 9.28,21.39 9.29,21.41 9.29,21.44 9.29,21.46 9.29,21.48 9.3,21.51 9.32,21.53 9.34,21.55 9.36,21.57 9.39,21.58 9.42,21.58 23.29,21.58 28.87,27.15 28.87,30.46 28.86,30.54 28.83,30.63 28.78,30.71 28.72,30.77 28.64,30.82 28.56,30.85 28.47,30.86 28.29,30.86 28.25,30.86 28.22,30.87 28.18,30.89 28.15,30.92 28.13,30.96 28.12,30.99 28.12,31.03 28.12,31.07 28.13,31.11 28.15,31.14 28.18,31.17 28.22,31.19 28.25,31.2 28.29,31.21 28.47,31.21 28.56,31.22 28.64,31.25 28.72,31.29 28.78,31.36 28.83,31.43 28.86,31.52 28.87,31.61 28.87,31.66 28.86,31.74 28.83,31.83 28.78,31.91 28.72,31.97 28.64,32.02 28.56,32.05 28.47,32.06 28.29,32.06 28.25,32.06 28.22,32.07 28.18,32.09 28.15,32.12 28.13,32.16 28.12,32.19 28.12,32.23 28.12,32.27 28.13,32.31 28.15,32.34 28.18,32.37 28.22,32.39 28.25,32.4 28.29,32.41 28.47,32.41 28.56,32.42 28.64,32.45 28.72,32.49 28.78,32.56 28.83,32.63 28.86,32.72 28.87,32.81 28.87,40.53 29.72,41.38 35.67,41.38 v1(36.16,41.87)
ENET_TRD3_N: length 53.4
  Top w0.125: J15.202 34.82,43.28 34.69,43.15 34.69,42.73 34.9,42.53 v1(35.16,42.53)
  In5_3V3_SYS_SIGNAL.Cu w0.125: J3.10 6.95,22.63 22.59,22.63 24.17,24.21 24.19,24.23 24.2,24.26 24.2,24.28 24.2,24.31 24.2,24.34 24.19,24.36 24.17,24.39 24.07,24.48 24.05,24.5 24.04,24.53 24.03,24.56 24.03,24.59 24.04,24.61 24.05,24.64 24.07,24.66 24.09,24.68 24.12,24.69 24.14,24.7 24.17,24.7 24.2,24.69 24.23,24.68 24.25,24.66 24.34,24.56 24.37,24.54 24.39,24.53 24.42,24.53 24.45,24.53 24.47,24.53 24.5,24.54 24.52,24.56 24.54,24.58 24.55,24.61 24.56,24.64 24.56,24.66 24.55,24.69 24.54,24.72 24.52,24.74 24.42,24.84 24.41,24.86 24.39,24.88 24.39,24.91 24.39,24.94 24.39,24.97 24.41,24.99 24.42,25.01 24.45,25.03 24.47,25.04 24.5,25.05 24.53,25.05 24.55,25.04 24.58,25.03 24.6,25.01 24.7,24.92 24.72,24.9 24.74,24.89 24.77,24.88 24.8,24.88 24.83,24.89 24.85,24.9 24.87,24.92 24.89,24.94 24.9,24.96 24.91,24.99 24.91,25.02 24.9,25.05 24.89,25.07 24.87,25.09 24.78,25.19 24.76,25.21 24.75,25.24 24.74,25.26 24.74,25.29 24.75,25.32 24.76,25.34 24.78,25.37 24.8,25.38 24.82,25.4 24.85,25.4 24.88,25.4 24.91,25.4 24.93,25.38 24.95,25.37 25.05,25.27 25.07,25.25 25.1,25.24 25.13,25.23 25.15,25.23 25.18,25.24 25.21,25.25 25.23,25.27 27.12,27.16 27.12,42.16 27.59,42.63 34.79,42.63 34.9,42.53 v1(35.16,42.53)
ENET_TRD3_P: length 53.4
  Top w0.125: v1(34.72,42.09) 34.72,42.35 34.44,42.63 34.44,43.15 34.32,43.28 J15.204
  In5_3V3_SYS_SIGNAL.Cu w0.125: v1(34.72,42.09) 34.72,42.35 34.69,42.38 27.69,42.38 27.37,42.05 27.37,27.05 22.69,22.38 7.05,22.38 5.02,20.35 J3.9
FAN_PWM: length 11.5
  Top w0.15: v1(28.24,46.31) 27.82,45.88 J15.230
  Top w0.2: J15.230 27.82,39.81 27.29,39.28 U3.3
  Bottom w0.15: TP13.1 30.49,46.61 28.54,46.61 v1(28.24,46.31)
FAN_TACH: length 23.3
  Top w0.15: v1(33.72,48.28) 33.32,47.88 33.32,40.95 34.04,40.23 36.92,40.23 37.74,39.41 37.74,38.91 37.62,38.79 35.67,38.79 35.13,39.33 33.76,39.33 T3.2
  Top w0.2: 31.64,38.22 31.71,38.16 T3.2
  Bottom w0.15: v1(33.72,48.28) 33.08,47.64 TP14.1
GEN0_SCL: length 126
  Top w0.125: 39.07,52.2 39.07,50.73 v1(39.14,50.66)
  Top w0.15: v1(39.14,50.66) 38.75,50.27 33.82,50.27 v1(33.31,50.78)
  Top w0.18: 53.58,20.01 v1(54.19,20.01)
  In2_SINGAL.Cu w0.125: v1(54.19,20.01) 54.23,20.01 56.54,22.32 56.54,23.67 55.69,24.52 55.69,28.86 55.44,29.11 55.44,32.16 54.99,32.61 52.1,32.61 51.94,32.76 51.94,38.05 55.14,41.25 55.14,42.41 50.14,47.41 50.14,50.66 v1(50.39,50.91)
  In2_SINGAL.Cu w0.15: v1(91.8,48.2) 90.73,48.2 v1(87.9,51.03) 87.22,51.71 80.84,51.71 80.54,51.41 80.54,50.53 v1(80.67,50.41)
  In3_SIGNAL.Cu w0.15: v1(39.14,50.66) 38.74,50.26 38.04,50.26 37.89,50.41 37.89,51.56 39.34,53.01 79.27,53.01 80.62,51.66 80.62,50.46 v1(80.67,50.41)
  Bottom w0.15: v1(33.31,50.78) 33.31,51.14 TP23.1 ; 92.4,47.45 92.4,47.6 v1(91.8,48.2)
  Bottom w0.18: v1(39.14,50.66) 39.14,51.21 39.54,51.61 48.94,51.61 49.18,51.37 49.18,50.71 49.45,50.44 49.93,50.44 v1(50.39,50.91) ; v1(87.9,51.03) 88.66,51.78 88.66,51.81
